# Altium PCB hand_logic.PcbDoc (part 1 of 4) (continued)
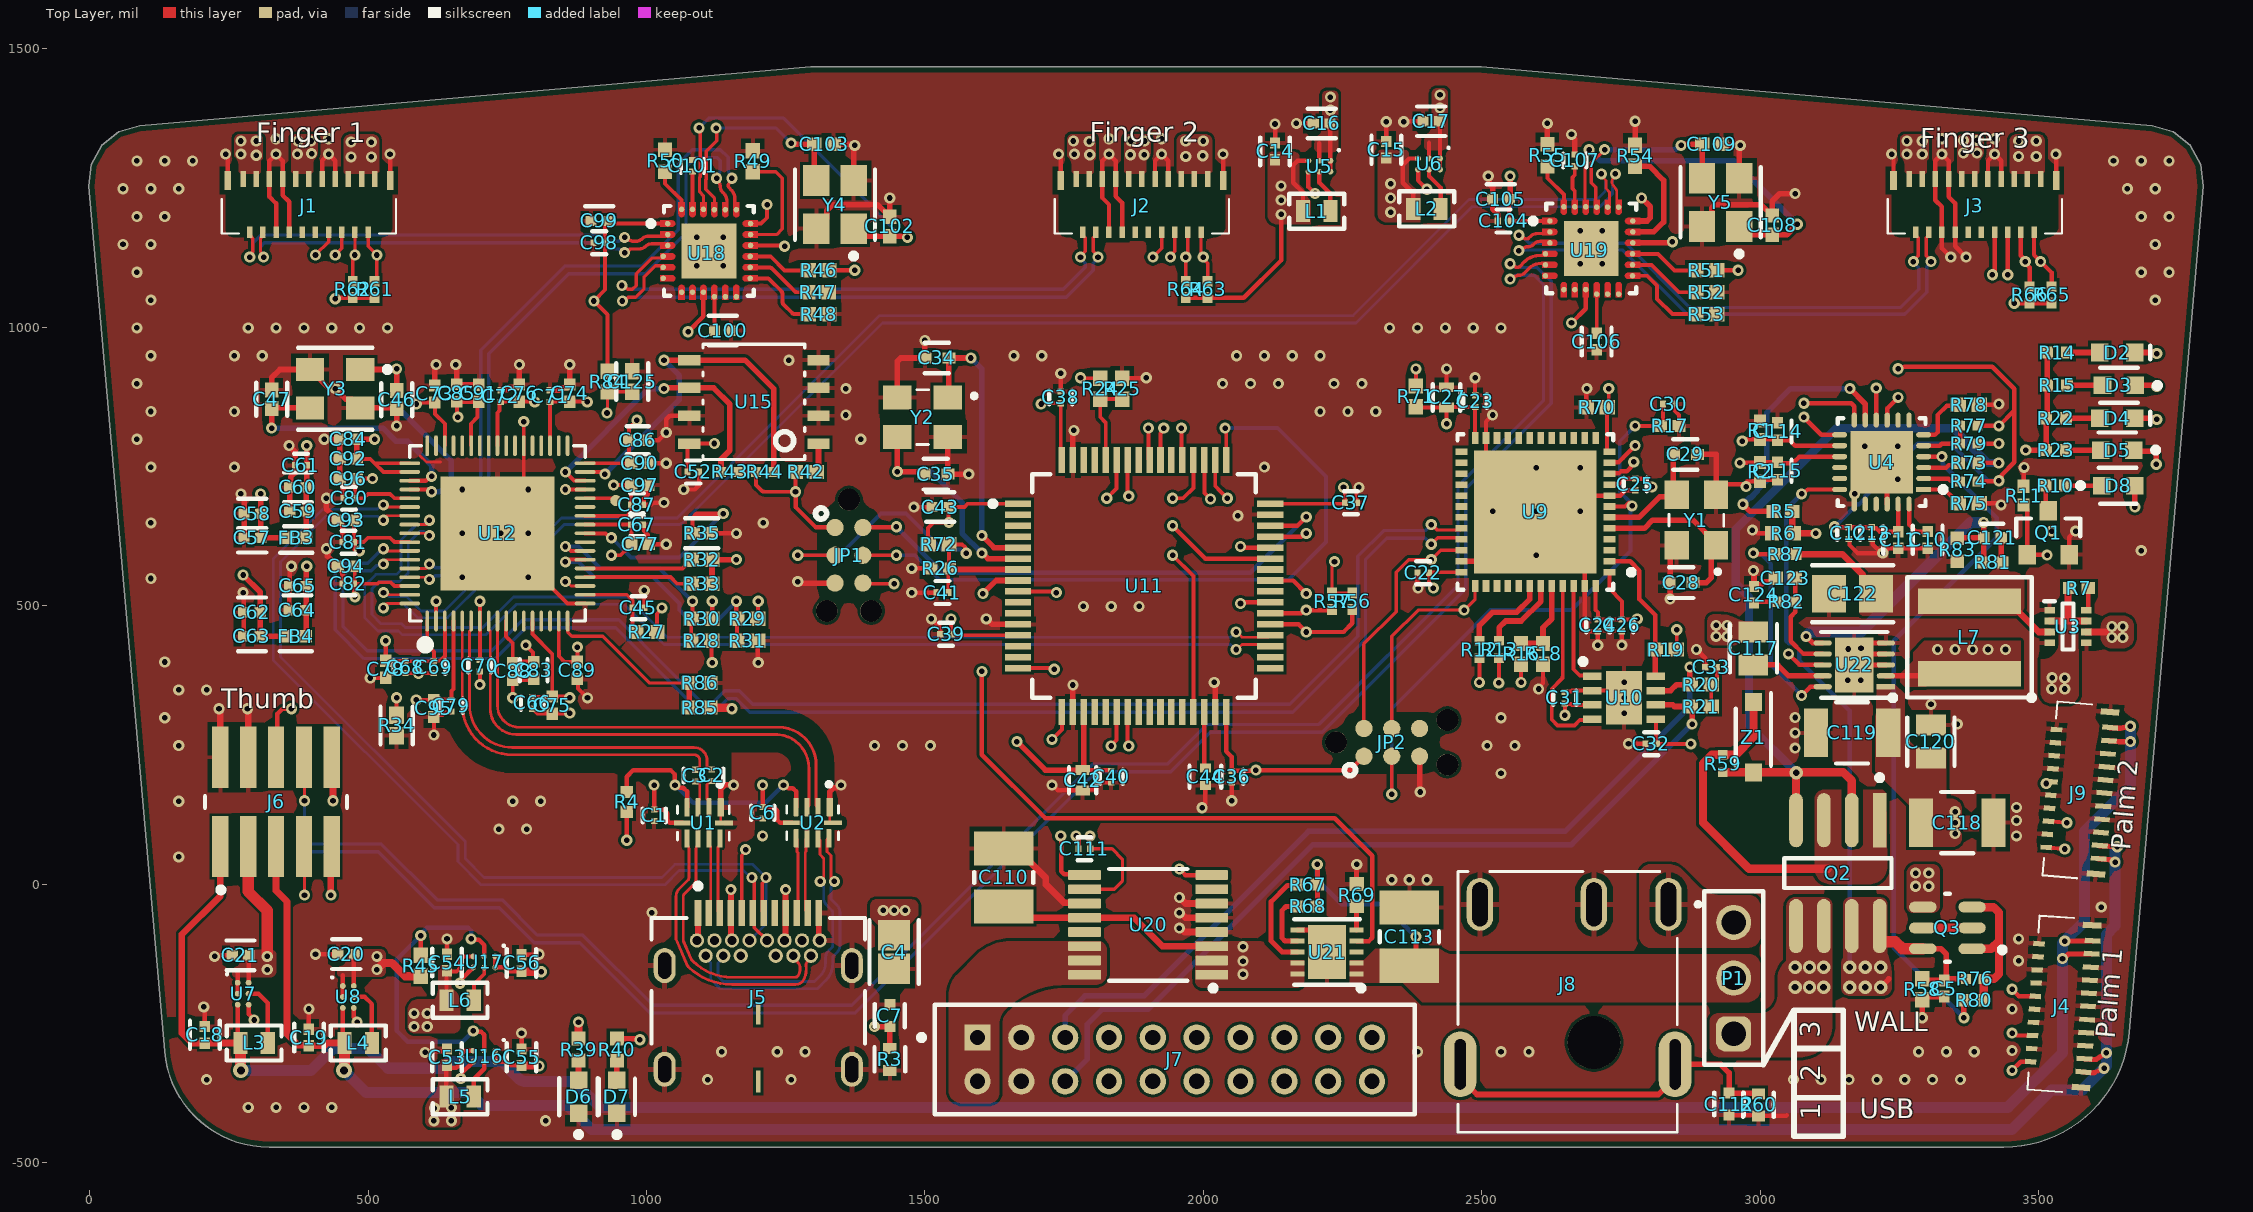
[diagram p0: Top Layer view]
## Components (designator, comment, footprint, x,y, rotation, side; value= is the part's Value field where it differs from the comment) (continued)
R24 "DNP" RESC1005X40X25ML05T10 1814.96,889.76 r90 top
R25 "10K" RESC1005X40X25ML05T10 1854.33,889.76 r270 top
R26 "DNP" RESC1005X40X25NL05T10 1527.56,566.93 r0 top
R27 "0Ohms" RESC1005X40X25ML05T10 1000,452.76 r0 top
R28 "DNP" RESC1005X40X25ML05T10 1098.43,437.01 r0 top
R29 "10K" RESC1005X40X25ML05T10 1181.1,476.38 r0 top
R30 "10K" RESC1005X40X25ML05T10 1099.04,476.38 r180 top
R31 "DNP" RESC1005X40X25ML05T10 1181.1,437.01 r180 top
R32 "10K" RESC1005X40X25ML05T10 1099.04,582.68 r0 top
R33 "10K" RESC1005X40X25ML05T10 1099.04,539.37 r0 top
R34 "6.04K" FP-RMCF0402-IPC_A 551.18,284.82 r90 top
R35 "200 Ohms" FP-RMCF0402-IPC_B 1099.04,629.92 r180 top
R39 "750R" RESC1005X40X25ML05T05 877.95,-297.24 r90 top
R40 "330R" RESC1005X40X25ML05T05 946.85,-297.24 r90 top
R42 "10K" RESC1005X40X25ML05T10 1286.42,740.16 r180 top
R43 "2K" RESC1005X40X20LL05T10 1149.61,740.16 r0 top
R44 "2K" RESC1005X40X20LL05T10 1212.6,740.16 r180 top
R45 "0Ohms" RESC1005X40X25ML05T10 594.49,-146.65 r90 top
R46 "10K" RESC1005X40X25ML05T10 1309.06,1102.36 r0 top
R47 "49.9K" RESC1005X40X25ML05T10 1308.07,1062.99 r180 top
R48 "49.9K" RESC1005X40X25ML05T10 1309.06,1023.62 r180 top
R49 "49.9K" RESC1005X40X25ML05T10 1190.94,1298.23 r270 top
R50 "12K" RESC1005X40X25ML05T05 1033.46,1299.21 r270 top
R51 "10K" RESC1005X40X25ML05T10 2903.54,1102.36 r0 top
R52 "49.9K" RESC1005X40X25ML05T10 2903.54,1062.99 r180 top
R53 "49.9K" RESC1005X40X25ML05T10 2903.54,1023.62 r180 top
R54 "49.9K" RESC1005X40X25ML05T10 2775.59,1308.07 r270 top
R55 "12K" RESC1005X40X25ML05T05 2618.11,1309.06 r270 top
R56 "1K" RESC1005X40X25LL05T10 2267.72,507.87 r90 top
R57 "1K" RESC1005X40X25LL05T10 2231.3,507.87 r90 top
R58 "10K" RESC1005X40X25ML05T10 3291.34,-188.98 r90 top
R59 "49.9K" RESC1005X35X20LL05T10 2933.07,216.54 r90 top
R60 "1MOhm" FP-RMCF0402-MFG 2997.05,-396.65 r270 top
R61 "1K" RESC1005X40X25LL05T10 511.81,1067.91 r270 top
R62 "1K" RESC1005X40X25LL05T10 472.44,1067.91 r270 top
R63 "1K" RESC1005X40X25LL05T10 2007.87,1067.91 r270 top
R64 "1K" RESC1005X40X25LL05T10 1968.5,1067.91 r270 top
R65 "1K" RESC1005X40X25LL05T10 3523.62,1058.07 r270 top
R66 "1K" RESC1005X40X25LL05T10 3484.25,1058.07 r270 top
R67 "100K" RESC1005X40X25NL05T10 2188.05,-0.78 r0 top
R68 "100K" RESC1005X40X25NL05T10 2187.99,-40.21 r0 top
R69 "1.74K" RESC1005X35X20ML05T10 2275.59,-19.69 r270 top
R70 "10K" RESC1005X40X25ML05T10 2706.69,856.3 r0 top
R71 "10K" RESC1005X40X25ML05T10 2381.89,875.98 r270 top
R72 "10K" RESC1005X40X25ML05T10 1524.61,610.24 r180 top
R73 "1K" RESC1005X40X25NL05T05 3375,756.56 r0 top
R74 "5K" RESC1005X35X20LL05T10 3375,723.24 r0 top
R75 "10K" RESC1005X40X25ML05T10 3375,683.87 r0 top
R76 "49.9K" RESC1005X35X20LL05T10 3385.83,-170.28 r180 top
R77 "5K" RESC1005X35X20LL05T10 3375,823.49 r0 top
R78 "10K" RESC1005X40X25ML05T10 3375,860.89 r0 top
R79 "5K" RESC1005X35X20LL05T10 3375,791.01 r180 top
R80 "1K" RESC1005X40X25NL05T05 3383.86,-208.66 r180 top
R81 "100K" RESC1005X40X25NL05T10 3417.32,577.76 r180 top
R82 "3.16K" FP-CRCW0402-e3-IPC_C 3047.24,506.89 r0 top
R83 "16.9K" FP-CRCW0402-e3-MFG 3354.33,600.39 r90 top
R84 "10K" RESC1005X40X25ML05T10 930.12,902.56 r90 top
R85 "10K" RESC1005X40X25ML05T10 1095.47,316.93 r0 top
R86 "10K" RESC1005X40X25ML05T10 1095.47,361.22 r180 top
R87 "100K" RESC1005X40X25NL05T10 3046.26,592.52 r180 top
U1 "CBTL01023GM,115" QFN50P200X155X50-10N 1102.36,109.84 r270 top
U2 "CBTL01023GM,115" QFN50P200X155X50-10N 1298.23,110.24 r270 top
U3 "LM66200DRLR" SOTFL50P160X60-8N 3553.15,462.6 r0 top
U4 "CYPD3177-24LQXQ" FP-002-16934-IPC_C 3218.5,757.87 r180 top
U5 "LM3691TL-3.3/NOPB" YZR0006APAF 2208.66,1289.37 r270 top
U6 "LM3691TL-1.8/NOPB" YZR0006APAF 2405.51,1293.31 r270 top
U7 "LM3691TL-3.3/NOPB" YZR0006APAF 275.59,-196.85 r0 top
U8 "LM3691TL-1.8/NOPB" YZR0006APAF 464.57,-202.76 r0 top
U9 "STM32F072C8U6" FP-UFQFPN48-A0B9-MFG 2596.46,668.31 r180 top
U10 "TCAN1051GVDRBTQ1" SON65P300X300X100-9N-D 2755.91,334.65 r0 top
U11 "STM32F446RET6" FP-LQFP64-5W-MFG 1893.7,535.43 r0 top
U12 "CYUSB3304-68LTXC" QFN40P800X800X100-69M 732.28,629.92 r90 top locked
U15 "BR24S128F-WE2" SOP8_ROM 1192.91,866.14 r180 top
U16 "LM3691TL-3.3/NOPB" YZR0006APAF 708.66,-309.06 r270 top
U17 "LM3691TL-1.2/NOPB" YZR0006APAF 708.66,-139.76 r270 top
U18 "USB2422-I/MJ" FP-24-S4QFN-4x4B-0_5P-MFG 1112.2,1137.11 r0 top
U19 "USB2422-I/MJ" FP-24-S4QFN-4x4B-0_5P-MFG 2696.85,1141.73 r0 top
U20 "INA260AIPWR" FP-PW0016A-MFG 1901.1,-73.31 r180 top locked
U21 "SIP32429DN-T1-GE4" FP-S-42134-IPC_C 2222.44,-122.05 r180 top
U22 "TPS54334DRCT" FP-DRC0010J-IPC_B 3169.29,393.7 r180 top
Y1 "ECS-80-18-33-JGN-TR" XTAL_ECS-240-8-33-AGN-TR 2885.83,653.54 r90 top
Y2 "ECS-80-18-33-JGN-TR" XTAL_ECS-240-8-33-AGN-TR 1496.06,838.58 r180 top
Y3 "ABM8-26.000MHZ-10-1-U-T" FP-ABM8-MFG 440.94,889.76 r180 top
Y4 "ABM8G-24.000MHZ-18-D2Y-T" FP-ABM8G-MFG 1338.58,1220.47 r90 top
Y5 "ABM8G-24.000MHZ-18-D2Y-T" FP-ABM8G-MFG 2929.13,1224.41 r90 top
Z1 "NZH10C,115" SODFL3516X120N 2988.19,263.78 r270 top

## Footprints (in the part's own frame and the unit in brackets; to place one, negate y for a bottom-side part, rotate by r counter-clockwise, add the part's x,y. Pads: shape width x height; smd on the part's side, far side on the other; paste and mask are expansions set on the pad)
0603_A [mm] "Chip LED, 2-Leads, Body 1.6x0.8mm, IPC Medium Density"
  rect 0.8x0.8 smd: 1(-0.8,0) 2(0.8,0)
  silkscreen extent -1.5,-0.3 -1.5,0.3, body extent -0.8,-0.4 0.8,0.4, height 0.7
5035662102 [mm]
  rect 0.25x0.72 smd: 1(-3,-1.165) 3(-2.4,-1.165) 5(-1.8,-1.165) 7(-1.2,-1.165) 9(-0.6,-1.165) 11(0,-1.165) 13(0.6,-1.165) 15(1.2,-1.165) 17(1.8,-1.165) 19(2.4,-1.165) 21(3,-1.165)
  rect 0.25x0.52 smd: 2(-2.7,1.265) 4(-2.1,1.265) 6(-1.5,1.265) 8(-0.9,1.265) 10(-0.3,1.265) 12(0.3,1.265) 14(0.9,1.265) 16(1.5,1.265) 18(2.1,1.265) 20(2.7,1.265)
  rect 0.3x0.85 smd: MP1(-3.71,-1.1) MP2(3.71,-1.1)
  silkscreen extent -3.98,-0.25 3.98,1.33, body extent -3.98,-1.54 3.98,1.31, height 0.95
61300311121 [mm] "Pin Header, pitch 2.54 mm, THT, Vertical, single row, 3p"
  rrect50% 1.6x1.6 hole 1.1: 1(-2.54,0)
  round 1.6 hole 1.1: 2(0,0) 3(2.54,0)
  silkscreen extent -3.96,-1.35 3.96,1.35, body extent -3.81,-1.27 3.81,1.27, height 8.57
CAPC1005X55X25LL05T10 [mm] "Chip Capacitor, 2-Leads, Body 1.00x0.50mm, IPC High Density"
  rect 0.56x0.52 smd: 1(-0.39,0) 2(0.39,0)
  body extent -0.53,-0.28 0.53,0.28, height 0.55
CAPC1005X55X25NL05T10 [mm] "Chip Capacitor, 2-Leads, Body 1.00x0.50mm, IPC Medium Density"
  rect 0.66x0.62 smd: 1(-0.44,0) 2(0.44,0)
  body extent -0.53,-0.28 0.53,0.27, height 0.55
FP-002-16934-IPC_C [mm]
  rect 0.681x0.239 smd paste+0 mask+0: 1(-1.916,1.25)
  rrect100% 0.681x0.239 smd paste+0 mask+0: 2(-1.916,0.75) 3(-1.916,0.25) 4(-1.916,-0.25) 5(-1.916,-0.75) 6(-1.916,-1.25) 13(1.916,-1.25) 14(1.916,-0.75) 15(1.916,-0.25) 16(1.916,0.25) 17(1.916,0.75) 18(1.916,1.25)
  rrect100% 0.239x0.681 smd paste+0 mask+0: 7(-1.25,-1.916) 8(-0.75,-1.916) 9(-0.25,-1.916) 10(0.25,-1.916) 11(0.75,-1.916) 12(1.25,-1.916) 19(1.25,1.916) 20(0.75,1.916) 21(0.25,1.916) 22(-0.25,1.916) 23(-0.75,1.916) 24(-1.25,1.916)
  rect 2.85x2.85 smd paste-1000 mask+0: 25(0,0)
  silkscreen extent -2.93,-2 2,2, body extent -2.36,-2.36 2.36,2.36, height 0.25
FP-24-S4QFN-4x4B-0_5P-MFG [mm]
  round 0.252 smd paste+0 mask+0: 1(-1.883,1.25) 2(-1.883,0.75) 3(-1.883,0.25) 4(-2.087,-0.25) 5(-2.087,-0.75) 6(-2.087,-1.25) 7(-1.25,-1.883) 8(-0.75,-1.883) 9(-0.25,-1.883) 10(0.25,-2.087) 11(0.75,-2.087) 12(1.25,-2.087) 13(1.883,-1.25) 14(1.883,-0.75) 15(1.883,-0.25) 16(1.897,0.25) 17(1.897,0.75) 18(1.897,1.25) 19(1.25,1.883) 20(0.75,1.883) 21(0.25,1.883) 22(-0.25,1.897) 23(-0.75,1.897) 24(-1.25,1.897)
  rect 2.5x2.5 smd paste+0 mask+0: 25(0,0)
  Top Layer region: 2.228,1.11 1.677,1.11 1.624,1.121 1.579,1.151 1.548,1.196 1.538,1.25 1.538,1.25 1.548,1.304 1.579,1.349 1.624,1.379 1.677,1.39 1.677,1.39 2.228,1.39
  Top Layer region: 2.228,0.11 1.677,0.11 1.624,0.121 1.579,0.151 1.548,0.196 1.538,0.25 1.538,0.25 1.548,0.304 1.579,0.349 1.624,0.379 1.677,0.39 1.677,0.39 2.228,0.39
  Top Layer region: -2.228,1.39 -1.677,1.39 -1.624,1.379 -1.579,1.349 -1.548,1.304 -1.538,1.25 -1.538,1.25 -1.548,1.196 -1.579,1.151 -1.624,1.121 -1.677,1.11 -1.677,1.11 -2.228,1.11
  Top Layer region: -0.39,-2.228 -0.39,-1.677 -0.379,-1.624 -0.349,-1.579 -0.304,-1.548 -0.25,-1.538 -0.25,-1.538 -0.196,-1.548 -0.151,-1.579 -0.121,-1.624 -0.11,-1.677 -0.11,-1.677 -0.11,-2.228
  Top Layer region: -1.11,2.228 -1.11,1.677 -1.121,1.624 -1.151,1.579 -1.196,1.548 -1.25,1.538 -1.25,1.538 -1.304,1.548 -1.349,1.579 -1.379,1.624 -1.39,1.677 -1.39,1.677 -1.39,2.228
  Top Layer region: -0.61,2.228 -0.61,1.677 -0.621,1.624 -0.651,1.579 -0.696,1.548 -0.75,1.538 -0.75,1.538 -0.804,1.548 -0.849,1.579 -0.879,1.624 -0.89,1.677 -0.89,1.677 -0.89,2.228
  Top Layer region: -0.11,2.228 -0.11,1.677 -0.121,1.624 -0.151,1.579 -0.196,1.548 -0.25,1.538 -0.25,1.538 -0.304,1.548 -0.349,1.579 -0.379,1.624 -0.39,1.677 -0.39,1.677 -0.39,2.228
  Top Layer region: 0.39,2.228 0.39,1.677 0.379,1.624 0.349,1.579 0.304,1.548 0.25,1.538 0.25,1.538 0.196,1.548 0.151,1.579 0.121,1.624 0.11,1.677 0.11,1.677 0.11,2.228
  Top Layer region: 0.89,2.228 0.89,1.677 0.879,1.624 0.849,1.579 0.804,1.548 0.75,1.538 0.75,1.538 0.696,1.548 0.651,1.579 0.621,1.624 0.61,1.677 0.61,1.677 0.61,2.228
  Top Layer region: 1.39,2.228 1.39,1.677 1.379,1.624 1.349,1.579 1.304,1.548 1.25,1.538 1.25,1.538 1.196,1.548 1.151,1.579 1.121,1.624 1.11,1.677 1.11,1.677 1.11,2.228
  Top Layer region: 1.11,-2.228 1.11,-1.677 1.121,-1.624 1.151,-1.579 1.196,-1.548 1.25,-1.538 1.25,-1.538 1.304,-1.548 1.349,-1.579 1.379,-1.624 1.39,-1.677 1.39,-1.677 1.39,-2.228
  Top Layer region: 0.61,-2.228 0.61,-1.677 0.621,-1.624 0.651,-1.579 0.696,-1.548 0.75,-1.538 0.75,-1.538 0.804,-1.548 0.849,-1.579 0.879,-1.624 0.89,-1.677 0.89,-1.677 0.89,-2.228
  Top Layer region: 0.11,-2.228 0.11,-1.677 0.121,-1.624 0.151,-1.579 0.196,-1.548 0.25,-1.538 0.25,-1.538 0.304,-1.548 0.349,-1.579 0.379,-1.624 0.39,-1.677 0.39,-1.677 0.39,-2.228
  Top Layer region: -0.89,-2.228 -0.89,-1.677 -0.879,-1.624 -0.849,-1.579 -0.804,-1.548 -0.75,-1.538 -0.75,-1.538 -0.696,-1.548 -0.651,-1.579 -0.621,-1.624 -0.61,-1.677 -0.61,-1.677 -0.61,-2.228
  Top Layer region: -1.39,-2.228 -1.39,-1.677 -1.379,-1.624 -1.349,-1.579 -1.304,-1.548 -1.25,-1.538 -1.25,-1.538 -1.196,-1.548 -1.151,-1.579 -1.121,-1.624 -1.11,-1.677 -1.11,-1.677 -1.11,-2.228
  Top Layer region: 2.228,0.61 1.677,0.61 1.624,0.621 1.579,0.651 1.548,0.696 1.538,0.75 1.538,0.75 1.548,0.804 1.579,0.849 1.624,0.879 1.677,0.89 1.677,0.89 2.228,0.89
  Top Layer region: 2.228,-0.39 1.677,-0.39 1.624,-0.379 1.579,-0.349 1.548,-0.304 1.538,-0.25 1.538,-0.25 1.548,-0.196 1.579,-0.151 1.624,-0.121 1.677,-0.11 1.677,-0.11 2.228,-0.11
  Top Layer region: 2.228,-0.89 1.677,-0.89 1.624,-0.879 1.579,-0.849 1.548,-0.804 1.538,-0.75 1.538,-0.75 1.548,-0.696 1.579,-0.651 1.624,-0.621 1.677,-0.61 1.677,-0.61 2.228,-0.61
  Top Layer region: 2.228,-1.39 1.677,-1.39 1.624,-1.379 1.579,-1.349 1.548,-1.304 1.538,-1.25 1.538,-1.25 1.548,-1.196 1.579,-1.151 1.624,-1.121 1.677,-1.11 1.677,-1.11 2.228,-1.11
  Top Layer region: -2.228,-1.11 -1.677,-1.11 -1.624,-1.121 -1.579,-1.151 -1.548,-1.196 -1.538,-1.25 -1.538,-1.25 -1.548,-1.304 -1.579,-1.349 -1.624,-1.379 -1.677,-1.39 -1.677,-1.39 -2.228,-1.39
  Top Layer region: -2.228,-0.61 -1.677,-0.61 -1.624,-0.621 -1.579,-0.651 -1.548,-0.696 -1.538,-0.75 -1.538,-0.75 -1.548,-0.804 -1.579,-0.849 -1.624,-0.879 -1.677,-0.89 -1.677,-0.89 -2.228,-0.89
  Top Layer region: -2.228,-0.11 -1.677,-0.11 -1.624,-0.121 -1.579,-0.151 -1.548,-0.196 -1.538,-0.25 -1.538,-0.25 -1.548,-0.304 -1.579,-0.349 -1.624,-0.379 -1.677,-0.39 -1.677,-0.39 -2.228,-0.39
  Top Layer region: -2.228,0.39 -1.677,0.39 -1.624,0.379 -1.579,0.349 -1.548,0.304 -1.538,0.25 -1.538,0.25 -1.548,0.196 -1.579,0.151 -1.624,0.121 -1.677,0.11 -1.677,0.11 -2.228,0.11
  Top Layer region: -2.228,0.89 -1.677,0.89 -1.624,0.879 -1.579,0.849 -1.548,0.804 -1.538,0.75 -1.538,0.75 -1.548,0.696 -1.579,0.651 -1.624,0.621 -1.677,0.61 -1.677,0.61 -2.228,0.61
  silkscreen extent -2.77,-2.05 2.05,2.05, body extent -2.33,-2.33 2.33,2.33, height 0.25
FP-0402-L_1_0_1-W_0_5_0_1-IPC_B [mil]
  rect 26.81x24.1 smd paste+0 mask+0: 1(-16.36,0) 2(16.36,0)
  silkscreen extent -30,-28 30,28, body extent -36,-18 36,18, height 10
FP-0402-L_1_0_1-W_0_5_0_1-MFG [mm]
  rect 0.6x0.5 smd paste+0 mask+0: 1(-0.55,0) 2(0.55,0)
  silkscreen extent -0.55,-0.7 0.55,0.7, body extent -0.95,-0.4 0.95,0.4, height 0.25
FP-1210-L_3_2_0_3-W_2_5_0-IPC_B [mil]
  rect 61.15x106.54 smd paste+0 mask+0: 1(-52.18,0) 2(52.18,0)
  silkscreen extent -10,-53 10,53, body extent -93,-63 93,63, height 10
FP-632723300011-MFG [mm]
  round 0.65 hole 0.4 paste-2539.97 mask+0: 1(-2,4.68) 2(2,4.68) B1(2.8,4.68) B2(2.4,3.98) B3(1.6,3.98) B4(1.2,4.68) B5(0.8,3.98) B6(0.4,4.68) B7(-0.4,4.68) B8(-0.8,3.98) B9(-1.2,4.68) B10(-1.6,3.98) B11(-2.4,3.98) B12(-2.8,4.68)
  rrect100% 1x1.6 hole 1.2 slot 0.6 at 0 deg paste-2539.97 mask+0: 3(-4.27,3.53) 4(4.27,3.53) 6(-4.27,-1.2) 7(4.27,-1.2)
  rect 0.2x1 smd paste+0 mask+0: 5(0,1.35) 8(0,-1.75)
  rect 0.3x1.2 smd paste+0 mask+0: A1(-2.75,5.93) A2(-2.25,5.93) A3(-1.75,5.93) A4(-1.25,5.93) A5(-0.75,5.93) A6(-0.25,5.93) A7(0.25,5.93) A8(0.75,5.93) A9(1.25,5.93) A10(1.75,5.93) A11(2.25,5.93) A12(2.75,5.93)
  silkscreen extent -4.87,-0.03 4.87,7.28, body extent -4.87,-5.77 4.87,6.63, height 0.25
FP-ABM8-MFG [mm]
  rect 1.3x1.05 smd paste+0 mask+0: 1(-1.15,-0.875) 2(1.15,-0.875) 3(1.15,0.875) 4(-1.15,0.875)
  silkscreen extent -2.5,-1.88 1.7,1.88, body extent -1.9,-1.5 1.9,1.5, height 0.25
FP-ABM8G-MFG [mm]
  rect 1.4x1.2 smd paste+0 mask+0: 1(-1.1,-0.85) 2(1.1,-0.85) 3(1.1,0.85) 4(-1.1,0.85)
  silkscreen extent -2.47,-1.83 1.6,1.83, body extent -1.9,-1.55 1.9,1.55, height 0.25
FP-B20B-PHDSS_LF_SN-MFG [mm]
  rect 1.2x1.2 hole 0.7 paste-2539.97 mask+0: 1(9,-1)
  round 1.2 hole 0.7 paste-2539.97 mask+0: 2(9,1) 3(7,-1) 4(7,1) 5(5,-1) 6(5,1) 7(3,-1) 8(3,1) 9(1,-1) 10(1,1) 11(-1,-1) 12(-1,1) 13(-3,-1) 14(-3,1) 15(-5,-1) 16(-5,1) 17(-7,-1) 18(-7,1) 19(-9,-1) 20(-9,1)
  silkscreen extent -10.95,-2.5 11.67,2.5, body extent -11.05,-2.6 11.05,2.6, height 0.25
FP-BLM15-0_05-d0_7-IPC_B [mil]
  rect 24.23x22.54 smd paste+0 mask+0: 1(-16.87,0) 2(16.87,0)
  silkscreen extent -29,-27 29,-27, body extent -35,-17 35,17, height 10
FP-C0402-BB-MFG [mm]
  rect 0.52x0.52 smd paste+0 mask+0: 1(-0.4,0) 2(0.4,0)
  silkscreen extent -0.5,-0.64 0.5,0.64, body extent -0.8,-0.4 0.8,0.4, height 0.25
FP-C0805C-DN-MFG [mm]
  rect 0.95x1.35 smd paste+0 mask+0: 1(-0.75,0) 2(0.75,0)
  silkscreen extent -1.1,-1.07 1.1,1.07, body extent -1.4,-0.85 1.4,0.85, height 0.25
FP-C1005-050-0_05-IPC_A [mil]
  rect 29.11x26.48 smd paste+0 mask+0: 1(-18.37,0) 2(18.37,0)
  silkscreen extent -33,-29 33,29, body extent -41,-21 41,21, height 10
FP-C1005-050-0_05-IPC_C [mil]
  rect 21.23x18.6 smd paste+0 mask+0: 1(-14.43,0) 2(14.43,0)
  body extent -29,-15 29,15, height 10
FP-C1005-050-0_15-MFG [mm]
  rect 0.4x0.5 smd paste+0 mask+0: 1(-0.4,0) 2(0.4,0)
  silkscreen extent -0.5,-0.72 0.5,0.72, body extent -0.7,-0.43 0.7,0.43, height 0.25
FP-C2012-125-0_2-IPC_B [mil]
  rect 54.25x57.33 smd paste+0 mask+0: 1(-30.08,0) 2(30.08,0)
  silkscreen extent -57,-44 57,44, body extent -67,-39 67,39, height 10
FP-C3216-160-0_2-IPC_C [mil]
  rect 61.18x67.17 smd paste+0 mask+0: 1(-42.37,0) 2(42.37,0)
  silkscreen extent -73,-51 73,51, body extent -77,-39 77,39, height 10
FP-C3225-250-0_4-MFG [mm]
  rect 1.1x2.2 smd paste+0 mask+0: 1(-1.65,0) 2(1.65,0)
  silkscreen extent -0.72,-1.4 0.72,1.4, body extent -2.3,-1.5 2.3,1.5, height 0.25
FP-CC0201-BA-MFG [mm]
  rect 0.28x0.3 smd paste+0 mask+0: 1(-0.265,0) 2(0.265,0)
  silkscreen extent -0.32,-0.53 0.32,0.53, body extent -0.51,-0.27 0.51,0.27, height 0.25
FP-CC0402-MFG [mm]
  rect 0.5x0.5 smd paste+0 mask+0: 1(-0.5,0) 2(0.5,0)
  silkscreen extent -0.53,-0.68 0.53,0.67, body extent -0.87,-0.48 0.87,0.48, height 0.25
FP-CL05A106MP5NUNC-MFG [mm]
  rect 0.45x0.675 smd paste+0 mask+0: 1(-0.463,0) 2(0.463,0)
  silkscreen extent -0.6,-0.63 0.6,0.63, body extent -0.79,-0.45 0.79,0.45, height 0.25
FP-CL05A226MQ5N6J8-IPC_C [mil]
  rect 20.29x18.6 smd paste+0 mask+0: 1(-14.9,0) 2(14.9,0)
  silkscreen extent -25,27 25,27, body extent -29,-15 29,15, height 10
FP-CL511-IPC_C [mil]
  rect 20.29x18.6 smd paste+0 mask+0: 1(-14.9,0) 2(14.9,0)
  silkscreen extent -25,-27 25,27, body extent -29,-15 29,15, height 10
FP-CL828-IPC_C [mil]
  rect 20.29x18.6 smd paste+0 mask+0: 1(-14.9,0) 2(14.9,0)
  silkscreen extent -25,-27 25,27, body extent -29,-15 29,15, height 10
FP-CRCW0402-e3-IPC_C [mil]
  rect 18.43x18.6 smd paste+0 mask+0: 1(-15.83,0) 2(15.83,0)
  body extent -29,-15 29,15, height 10
FP-CRCW0402-e3-MFG [mm]
  rect 0.6x0.6 smd paste+0 mask+0: 1(-0.525,0) 2(0.525,0)
  body extent -0.92,-0.4 0.92,0.4, height 0.25
FP-DRC0010J-IPC_B [mm]
  rect 0.831x0.239 smd paste+0 mask+0: 1(-1.441,1)
  rrect100% 0.831x0.239 smd paste+0 mask+0: 2(-1.441,0.5) 3(-1.441,0) 4(-1.441,-0.5) 5(-1.441,-1) 6(1.441,-1) 7(1.441,-0.5) 8(1.441,0) 9(1.441,0.5) 10(1.441,1)
  rect 1.75x2.5 smd paste-1000 mask+0: 11(0,0)
  silkscreen extent -1.88,-1.5 1.5,1.62, body extent -2.11,-1.75 2.11,1.75, height 0.25
FP-FTSH-105-01-F-DV-K-TR-MFG [mm]
  rect 0.74x2.79 smd paste+0 mask+0: 1(-2.54,-2.035) 2(-2.54,2.035) 3(-1.27,-2.035) 4(-1.27,2.035) 5(0,-2.035) 6(0,2.035) 7(1.27,-2.035) 8(1.27,2.035) 9(2.54,-2.035) 10(2.54,2.035)
  silkscreen extent -3.24,-4.14 3.24,0.27, body extent -3.34,-3.53 3.34,3.53, height 0.25
FP-GRM155-0_05-IPC_C [mil]
  rect 20.29x18.6 smd paste+0 mask+0: 1(-14.9,0) 2(14.9,0)
  body extent -29,-15 29,15, height 10
FP-LQFP64-5W-MFG [mm]
  rect 1.2x0.3 smd paste+0 mask+0: 1(-5.75,3.75) 2(-5.75,3.25) 3(-5.75,2.75) 4(-5.75,2.25) 5(-5.75,1.75) 6(-5.75,1.25) 7(-5.75,0.75) 8(-5.75,0.25) 9(-5.75,-0.25) 10(-5.75,-0.75) 11(-5.75,-1.25) 12(-5.75,-1.75) 13(-5.75,-2.25) 14(-5.75,-2.75) 15(-5.75,-3.25) 16(-5.75,-3.75) 33(5.75,-3.75) 34(5.75,-3.25) 35(5.75,-2.75) 36(5.75,-2.25) 37(5.75,-1.75) 38(5.75,-1.25) 39(5.75,-0.75) 40(5.75,-0.25) 41(5.75,0.25) 42(5.75,0.75) 43(5.75,1.25) 44(5.75,1.75) 45(5.75,2.25) 46(5.75,2.75) 47(5.75,3.25) 48(5.75,3.75)
  rect 0.3x1.2 smd paste+0 mask+0: 17(-3.75,-5.75) 18(-3.25,-5.75) 19(-2.75,-5.75) 20(-2.25,-5.75) 21(-1.75,-5.75) 22(-1.25,-5.75) 23(-0.75,-5.75) 24(-0.25,-5.75) 25(0.25,-5.75) 26(0.75,-5.75) 27(1.25,-5.75) 28(1.75,-5.75) 29(2.25,-5.75) 30(2.75,-5.75) 31(3.25,-5.75) 32(3.75,-5.75) 49(3.75,5.75) 50(3.25,5.75) 51(2.75,5.75) 52(2.25,5.75) 53(1.75,5.75) 54(1.25,5.75) 55(0.75,5.75) 56(0.25,5.75) 57(-0.25,5.75) 58(-0.75,5.75) 59(-1.25,5.75) 60(-1.75,5.75) 61(-2.25,5.75) 62(-2.75,5.75) 63(-3.25,5.75) 64(-3.75,5.75)
  silkscreen extent -7.02,-5.1 5.1,5.1
FP-LTST-C190KGKT-MFG [mm]
  rect 0.8x0.8 smd paste+0 mask+0: 1(-0.75,0) 2(0.75,0)
  silkscreen extent -1.85,-0.87 0.85,0.87, body extent -1.25,-0.55 1.25,0.55, height 0.25
FP-LTST-C190KRKT-MFG [mm]
  rect 0.8x0.8 smd paste+0 mask+0: 1(-0.75,0) 2(0.75,0)
  silkscreen extent -1.85,-0.82 0.82,0.82, body extent -1.25,-0.55 1.25,0.55, height 0.25
FP-LTST-C191TBKT-MFG [mm]
  rect 0.8x0.8 smd paste+0 mask+0: 1(-0.75,0) 2(0.75,0)
  silkscreen extent -1.88,-0.8 0.85,0.8, body extent -1.25,-0.55 1.25,0.55, height 0.25
FP-PG-DSO-8-IPC_A [mil]
  rect 97.4x24.54 smd paste+0 mask+0: 1(-95.12,75)
  rrect100% 97.4x24.54 smd paste+0 mask+0: 2(-95.12,25) 3(-95.12,-25) 4(-95.12,-75) 5(95.12,-75) 6(95.12,-25) 7(95.12,25) 8(95.12,75)
  silkscreen extent -176,-96 27,96, body extent -164,-116 164,116, height 10
FP-PW0016A-MFG [mm]
  rrect22% 1.5x0.45 smd paste+0 mask+0: 1(-2.9,2.275) 2(-2.9,1.625) 3(-2.9,0.975) 4(-2.9,0.325) 5(-2.9,-0.325) 6(-2.9,-0.975) 7(-2.9,-1.625) 8(-2.9,-2.275) 9(2.9,-2.275) 10(2.9,-1.625) 11(2.9,-0.975) 12(2.9,-0.325) 13(2.9,0.325) 14(2.9,0.975) 15(2.9,1.625) 16(2.9,2.275)
  silkscreen extent -3.09,-2.55 1.78,3.01, body extent -3.75,-2.8 3.75,2.8, height 0.25
FP-RMCF0402-IPC_A [mil]
  rect 30.75x26.48 smd paste+0 mask+0: 1(-18.33,0) 2(18.33,0)
  silkscreen extent -34,-29 34,29, body extent -42,-21 42,21, height 10
FP-RMCF0402-IPC_B [mil]
  rect 26.81x22.54 smd paste+0 mask+0: 1(-16.36,0) 2(16.36,0)
  silkscreen extent -30,-27 30,27, body extent -36,-17 36,17, height 10
FP-RMCF0402-MFG [mm]
  rect 0.5x0.6 smd paste+0 mask+0: 1(-0.5,0) 2(0.5,0)
  silkscreen extent -0.55,-0.7 0.55,0.7, body extent -0.85,-0.4 0.85,0.4, height 0.25
FP-S-42134-IPC_C [mm]
  rect 0.635x0.239 smd paste+0 mask+0: 1(-1.351,1) 2(-1.351,0.5) 3(-1.351,0) 4(-1.351,-0.5) 5(-1.351,-1) 6(1.351,-1) 7(1.351,-0.5) 8(1.351,0) 9(1.351,0.5) 10(1.351,1)
  rect 1.74x2.48 smd paste-1000 mask+0: 11(0,0)
  silkscreen extent -1.68,-1.5 1.5,1.77, body extent -1.88,-1.6 1.88,1.6, height 0.25
FP-UFQFPN48-A0B9-MFG [mm]
  rect 0.55x0.3 smd paste+0 mask+0: 1(-3.375,2.75) 2(-3.375,2.25) 3(-3.375,1.75) 4(-3.375,1.25) 5(-3.375,0.75) 6(-3.375,0.25) 7(-3.375,-0.25) 8(-3.375,-0.75) 9(-3.375,-1.25) 10(-3.375,-1.75) 11(-3.375,-2.25) 12(-3.375,-2.75) 25(3.375,-2.75) 26(3.375,-2.25) 27(3.375,-1.75) 28(3.375,-1.25) 29(3.375,-0.75) 30(3.375,-0.25) 31(3.375,0.25) 32(3.375,0.75) 33(3.375,1.25) 34(3.375,1.75) 35(3.375,2.25) 36(3.375,2.75)
  rect 0.3x0.55 smd paste+0 mask+0: 13(-2.75,-3.375) 14(-2.25,-3.375) 15(-1.75,-3.375) 16(-1.25,-3.375) 17(-0.75,-3.375) 18(-0.25,-3.375) 19(0.25,-3.375) 20(0.75,-3.375) 21(1.25,-3.375) 22(1.75,-3.375) 23(2.25,-3.375) 24(2.75,-3.375) 37(2.75,3.375) 38(2.25,3.375) 39(1.75,3.375) 40(1.25,3.375) 41(0.75,3.375) 42(0.25,3.375) 43(-0.25,3.375) 44(-0.75,3.375) 45(-1.25,3.375) 46(-1.75,3.375) 47(-2.25,3.375) 48(-2.75,3.375)
  rect 5.6x5.6 smd paste+0 mask+0: 49(0,0)
  silkscreen extent -4.5,-3.55 3.55,3.55, body extent -3.75,-3.75 3.75,3.75, height 0.25
FP-XAL5050-MFG [mm]
  rect 1.18x4.7 smd paste+0 mask+0: 1(-1.655,0) 2(1.655,0)
  silkscreen extent -2.86,-2.97 2.74,2.84, body extent -2.84,-2.94 2.84,2.94, height 0.25
"IND 0603_1608 RF WW" [mm] "Chip Inductor, 2-Leads, Body 1.65x0.99mm, IPC Medium Density"
  rect 0.65x1 smd: 1(-0.625,0) 2(0.625,0)
  silkscreen extent -1.25,-0.8 1.25,0.8, body extent -0.8,-0.4 0.8,0.4, height 0.8
INF-PG-TSOP-6_N [mm] "SOP, 6-Leads, Body 2.9x1.6mm, Pitch 0.95mm, IPC Medium Density"
  oval 1.25x0.5 smd: 1(-1.125,0.95) 2(-1.125,0) 3(-1.125,-0.95) 4(1.125,-0.95) 5(1.125,0) 6(1.125,0.95)
  silkscreen extent -2.63,-1.55 0.1,1.55, body extent -0.85,-1.55 0.85,1.55, height 1.1
ONSC-SOT-23-3-318-08_V [mm] "SOT23, 3-Leads, Body 2.92x1.3mm, Pitch 0.95mm"
  rect 0.9x0.8 smd: 1(-1,0.95) 2(-1,-0.95) 3(1,0)
  silkscreen extent -0.17,-1.46 0.65,1.46, body extent -0.65,-1.46 0.65,1.46, height 1.11
QFN40P800X800X100-69M [mm] "QFN, 68-Leads, Body 8.0x8.0mm (max), Pitch 0.40mm, IPC Medium Density"
  oval 0.95x0.17 smd mask+0: 1(-4,3.2) 2(-4,2.8) 3(-4,2.4) 4(-4,2) 5(-4,1.6) 6(-4,1.2) 7(-4,0.8) 8(-4,0.4) 9(-4,0) 10(-4,-0.4) 11(-4,-0.8) 12(-4,-1.2) 13(-4,-1.6) 14(-4,-2) 15(-4,-2.4) 16(-4,-2.8) 17(-4,-3.2) 35(4,-3.2) 36(4,-2.8) 37(4,-2.4) 38(4,-2) 39(4,-1.6) 40(4,-1.2) 41(4,-0.8) 42(4,-0.4) 43(4,0) 44(4,0.4) 45(4,0.8) 46(4,1.2) 47(4,1.6) 48(4,2) 49(4,2.4) 50(4,2.8) 51(4,3.2)
  oval 0.17x0.95 smd mask+0: 18(-3.2,-4) 19(-2.8,-4) 20(-2.4,-4) 21(-2,-4) 22(-1.6,-4) 23(-1.2,-4) 24(-0.8,-4) 25(-0.4,-4) 26(0,-4) 27(0.4,-4) 28(0.8,-4) 29(1.2,-4) 30(1.6,-4) 31(2,-4) 32(2.4,-4) 33(2.8,-4) 34(3.2,-4) 52(3.2,4) 53(2.8,4) 54(2.4,4) 55(2,4) 56(1.6,4) 57(1.2,4) 58(0.8,4) 59(0.4,4) 60(0,4) 61(-0.4,4) 62(-0.8,4) 63(-1.2,4) 64(-1.6,4) 65(-2,4) 66(-2.4,4) 67(-2.8,4) 68(-3.2,4)
  rect 5.2x5.2 smd mask+0: 69(0,0)
  silkscreen extent -5.28,-4 4,4, body extent -4,-4 4,4, height 1
QFN50P200X155X50-10N [mm]
  rrect25% 0.84x0.3 smd: 1(-0.71,0.79)
  rrect25% 0.84x0.22 smd: 2(-0.71,0.25) 3(-0.71,-0.25) 4(-0.71,-0.75) 6(0.71,-0.75) 7(0.71,-0.25) 8(0.71,0.25) 9(0.71,0.75)
  rrect25% 0.22x0.84 smd: 5(0,-0.935) 10(0,0.935)
  silkscreen extent -1.85,-1.18 0.77,1.18, body extent -0.77,-1 0.77,1, height 0.5
RESC1005X35X20LL05T10 [mm] "Chip Resistor, 2-Leads, Body 1.00x0.50mm, IPC High Density"
  rect 0.45x0.45 smd: 1(-0.4,0) 2(0.4,0)
  body extent -0.53,-0.27 0.53,0.28, height 0.35
RESC1005X35X20ML05T10 [mm] "Chip Resistor, 2-Leads, Body 1.00x0.50mm, IPC Low Density"
  rect 0.65x0.65 smd: 1(-0.5,0) 2(0.5,0)
  body extent -0.53,-0.27 0.53,0.28, height 0.35
RESC1005X40X20LL05T10 [mm] "Chip Resistor, 2-Leads, Body 1.00x0.50mm, IPC High Density"
  rect 0.45x0.45 smd: 1(-0.4,0) 2(0.4,0)
  body extent -0.53,-0.27 0.53,0.28, height 0.4
RESC1005X40X25LL05T05 [mm] "Chip Resistor, 2-Leads, Body 1.05x0.55mm, IPC High Density"
  rect 0.45x0.45 smd: 1(-0.4,0) 2(0.4,0)
  body extent -0.53,-0.28 0.53,0.28, height 0.4
RESC1005X40X25LL05T10 [mm] "Chip Resistor, 2-Leads, Body 1.00x0.50mm, IPC High Density"
  rect 0.5x0.45 smd: 1(-0.375,0) 2(0.375,0)
  body extent -0.53,-0.27 0.53,0.28, height 0.4
RESC1005X40X25ML05T05 [mm] "Chip Resistor, 2-Leads, Body 1.00x0.50mm, IPC Low Density"
  rect 0.65x0.65 smd: 1(-0.5,0) 2(0.5,0)
  body extent -0.53,-0.27 0.53,0.28, height 0.4
RESC1005X40X25ML05T10 [mm] "Chip Resistor, 2-Leads, Body 1.00x0.50mm, IPC Low Density"
  rect 0.7x0.65 smd: 1(-0.475,0) 2(0.475,0)
  body extent -0.53,-0.27 0.53,0.28, height 0.4
RESC1005X40X25NL05T05 [mm] "Chip Resistor, 2-Leads, Body 1.05x0.55mm, IPC Medium Density"
  rect 0.55x0.55 smd: 1(-0.45,0) 2(0.45,0)
  body extent -0.53,-0.28 0.53,0.28, height 0.4
RESC1005X40X25NL05T10 [mm] "Chip Resistor, 2-Leads, Body 1.00x0.50mm, IPC Medium Density"
  rect 0.6x0.55 smd: 1(-0.425,0) 2(0.425,0)
  body extent -0.53,-0.27 0.53,0.28, height 0.4
RESC1005X40X25NL10T10 [mm] "Chip Resistor, 2-Leads, Body 1.00x0.50mm, IPC Medium Density"
  rect 0.65x0.6 smd: 1(-0.425,0) 2(0.425,0)
  body extent -0.55,-0.3 0.55,0.3, height 0.4
SODFL3516X120N [mm]
  rect 0.82x0.76 smd: 1(-1.6,0) 2(1.6,0)
  silkscreen extent -2.01,-0.8 1.3,0.8, body extent -1.75,-0.8 1.75,0.8, height 1.1
SON65P300X300X100-9N-D [mm]
  rect 0.85x0.35 smd: 1(-1.45,0.975) 2(-1.45,0.325) 3(-1.45,-0.325) 4(-1.45,-0.975) 5(1.45,-0.975) 6(1.45,-0.325) 7(1.45,0.325) 8(1.45,0.975)
  rect 1.65x2.45 smd: 9(0,0)
  silkscreen extent -2,1.53 -1.75,1.77, body extent -1.5,-1.5 1.5,1.5, height 0.77
SOP8_ROM [mil]
  rect 40x19 smd paste+0 mask+0: 1(-116,75) 2(-116,25) 3(-116,-25) 4(-116,-75) 5(116,-75) 6(116,-25) 7(116,25) 8(116,75)
  silkscreen extent -92,-104 92,104, body extent -122,-99 122,99, height 59
SOTFL50P160X60-8N [mm]
  rect 0.475x0.3 smd: 1(-0.838,0.75) 2(-0.838,0.25) 3(-0.838,-0.25) 4(-0.838,-0.75) 5(0.838,-0.75) 6(0.838,-0.25) 7(0.838,0.25) 8(0.838,0.75)
  silkscreen extent -1.07,-1.05 0.25,1.15, body extent -0.8,-1.02 0.8,1.08, height 0.6
SWITCHCRAFT_RAPC722S [mm]
  oval 2.416x1.208 hole 0.7 slot 2 at 0 deg: 1(-6.3,3.4) 2(-6.3,0) 3(-6.3,-5.2)
  oval 3x1.5 hole 0.5 slot 2.3 at 0 deg: S1(1,3.7) S2(1,-6.1)
  round 2.4 hole 2.4 unplated mask+0.254: ""(0,0)
  silkscreen extent -7.8,-6.2 4.1,4.85, body extent -7.7,-6.3 4.05,3.9, height 7.2
TAG_TC2030_NL_6 [mil] "Connectorless footprint for debug cable"
  round 39 hole 39 unplated: 0(0,0) 0(200,-40) 0(200,40)
  round 31 smd paste-31: 1(50,-25) 2(50,25) 3(100,-25) 4(100,25) 5(150,-25) 6(150,25)
  silkscreen extent 15,-60 35,-40
XTAL_ECS-240-8-33-AGN-TR [mm]
  rect 1.3x1.1 smd: 1(-1.15,-0.9) 2(1.15,-0.9) 3(1.15,0.9) 4(-1.15,0.9)
  silkscreen extent -2.45,-1.25 0.27,1.25, body extent -1.6,-1.25 1.6,1.25, height 0.8
YZR0006APAF [mm] "Micro SMD, 6-Leads, Body 1.57x1.26mm, Pitch 0.5mm, NSC Recommended"
  round 0.265 smd paste-0.132 mask+0.05: A1(-0.25,0.5) A2(0.25,0.5) B1(-0.25,0) B2(0.25,0) C1(-0.25,-0.5) C2(0.25,-0.5)
  silkscreen extent -0.78,0.84 -0.69,0.94, body extent -0.63,-0.78 0.63,0.79, height 0.68

## Part data
C1 C2 C3 C6 C12 C13 C22 C23 C24 C25 C26 C30 C31 C32 C33 C36 C37 C38 C39 C40 C41 C45 C52 C61 C66 C67 C68 C69 C70 C71 C72 C79 C80 C81 C82 C87 C98 C101 C104 C107 C111: library part CMP-03422-000376-1, "CAP CER 0.1UF 6.3V X5R 0201", Capacitance="100 nF", Manufacturer=Yageo, Manufacturer Part Number=CC0201KRX5R5BB104, Package=CC0201-BA, Temperature="-55°C to +85°C", Temperature Characteristic=X5R, Temperature Coefficient=15%, Temperature Range High=+85°C, Temperature Range Low=-55°C, Tolerance=0.1, Voltage Rating="6.3 V", Automotive=No, Category=Cap, ComponentLink2Description=Datasheet, ComponentLink2URL=http://www.yageo.com/documents/recent/UPY-GPHC_X5R_4V-to-50V_25.pdf, Device Class L1="Passive Components", Device Class L2=Capacitors, Device Class L3="Ceramic Capacitors", Digikey Description="CAP CER 0.1UF 6.3V X5R 0201", Footprint Url=http://www.yageo.com/exep/pages/download/literatures/UPY-C_GEN_24.pdf, Height=0.33mm, Ipc Land Pattern Name=CAPC6030X30, Lead Free=Yes, Material=Ceramic, Mouser Description="Multilayer Ceramic Capacitors MLCC - SMD/SMT 100nF 6.3V X5R 10%", Octopart=https://octopart.com/cc0201krx5r5bb104-yageo-9292636, RoHS=TRUE
C4: library part CMP-08246-000007-2, "Multilayer Ceramic Capacitors 4.7μF ±10% 50V X5R SMD 0805", Capacitance=4.7uF, Case Code (Imperial)=0805, Case Code (Metric)=2012, Dielectric=X5R, Dielectric Material=Ceramic, Max Operating Temperature=85°C, Min Operating Temperature=-55°C, Package Quantity=1, Tolerance=10%, Voltage=50V, Case/Package=0805, Construction=Flat, Depth=1.25mm, Height=1.25mm, Lead Free="Lead Free", Length=2mm, Mount="Surface Mount", Packaging="Tape and Reel", Radiation Hardening=No, REACH SVHC="No SVHC", Resistor Type=Ceramic, Series=C, Termination=SMD/SMT, Thickness=0.057inch, Voltage Rating=50V, Voltage Rating (DC)=50V, Weight=0.000194oz, Width=0.049inch
C5: library part CMP-2000-06004-2, "Multilayer Ceramic Capacitors 1μF ±10% 35V X5R SMD 0402", Capacitance=1uF, Case Code (Imperial)=0402, Case Code (Metric)=1005, Dielectric=X5R, Dielectric Material=Ceramic, Max Operating Temperature=85°C, Min Operating Temperature=-55°C, Package Quantity=1, Tolerance=10%, Voltage Rating=35V, Case/Package=0402, Depth=0.5mm, Height=0.5mm, Lead Free="Lead Free", Length=1mm, Mount="Surface Mount", Packaging="Tape and Reel", Radiation Hardening=No, REACH SVHC="No SVHC", Resistor Type=Ceramic, RoHS Compliant=Yes, Series=C, Termination=SMD/SMT, Thickness=0.022inch, Voltage Rating (DC)=35V, Weight=2.3E-05oz, Width=0.02inch